# Allegro board IMX7D EVK BOARD REV D_160314.brd (continued)
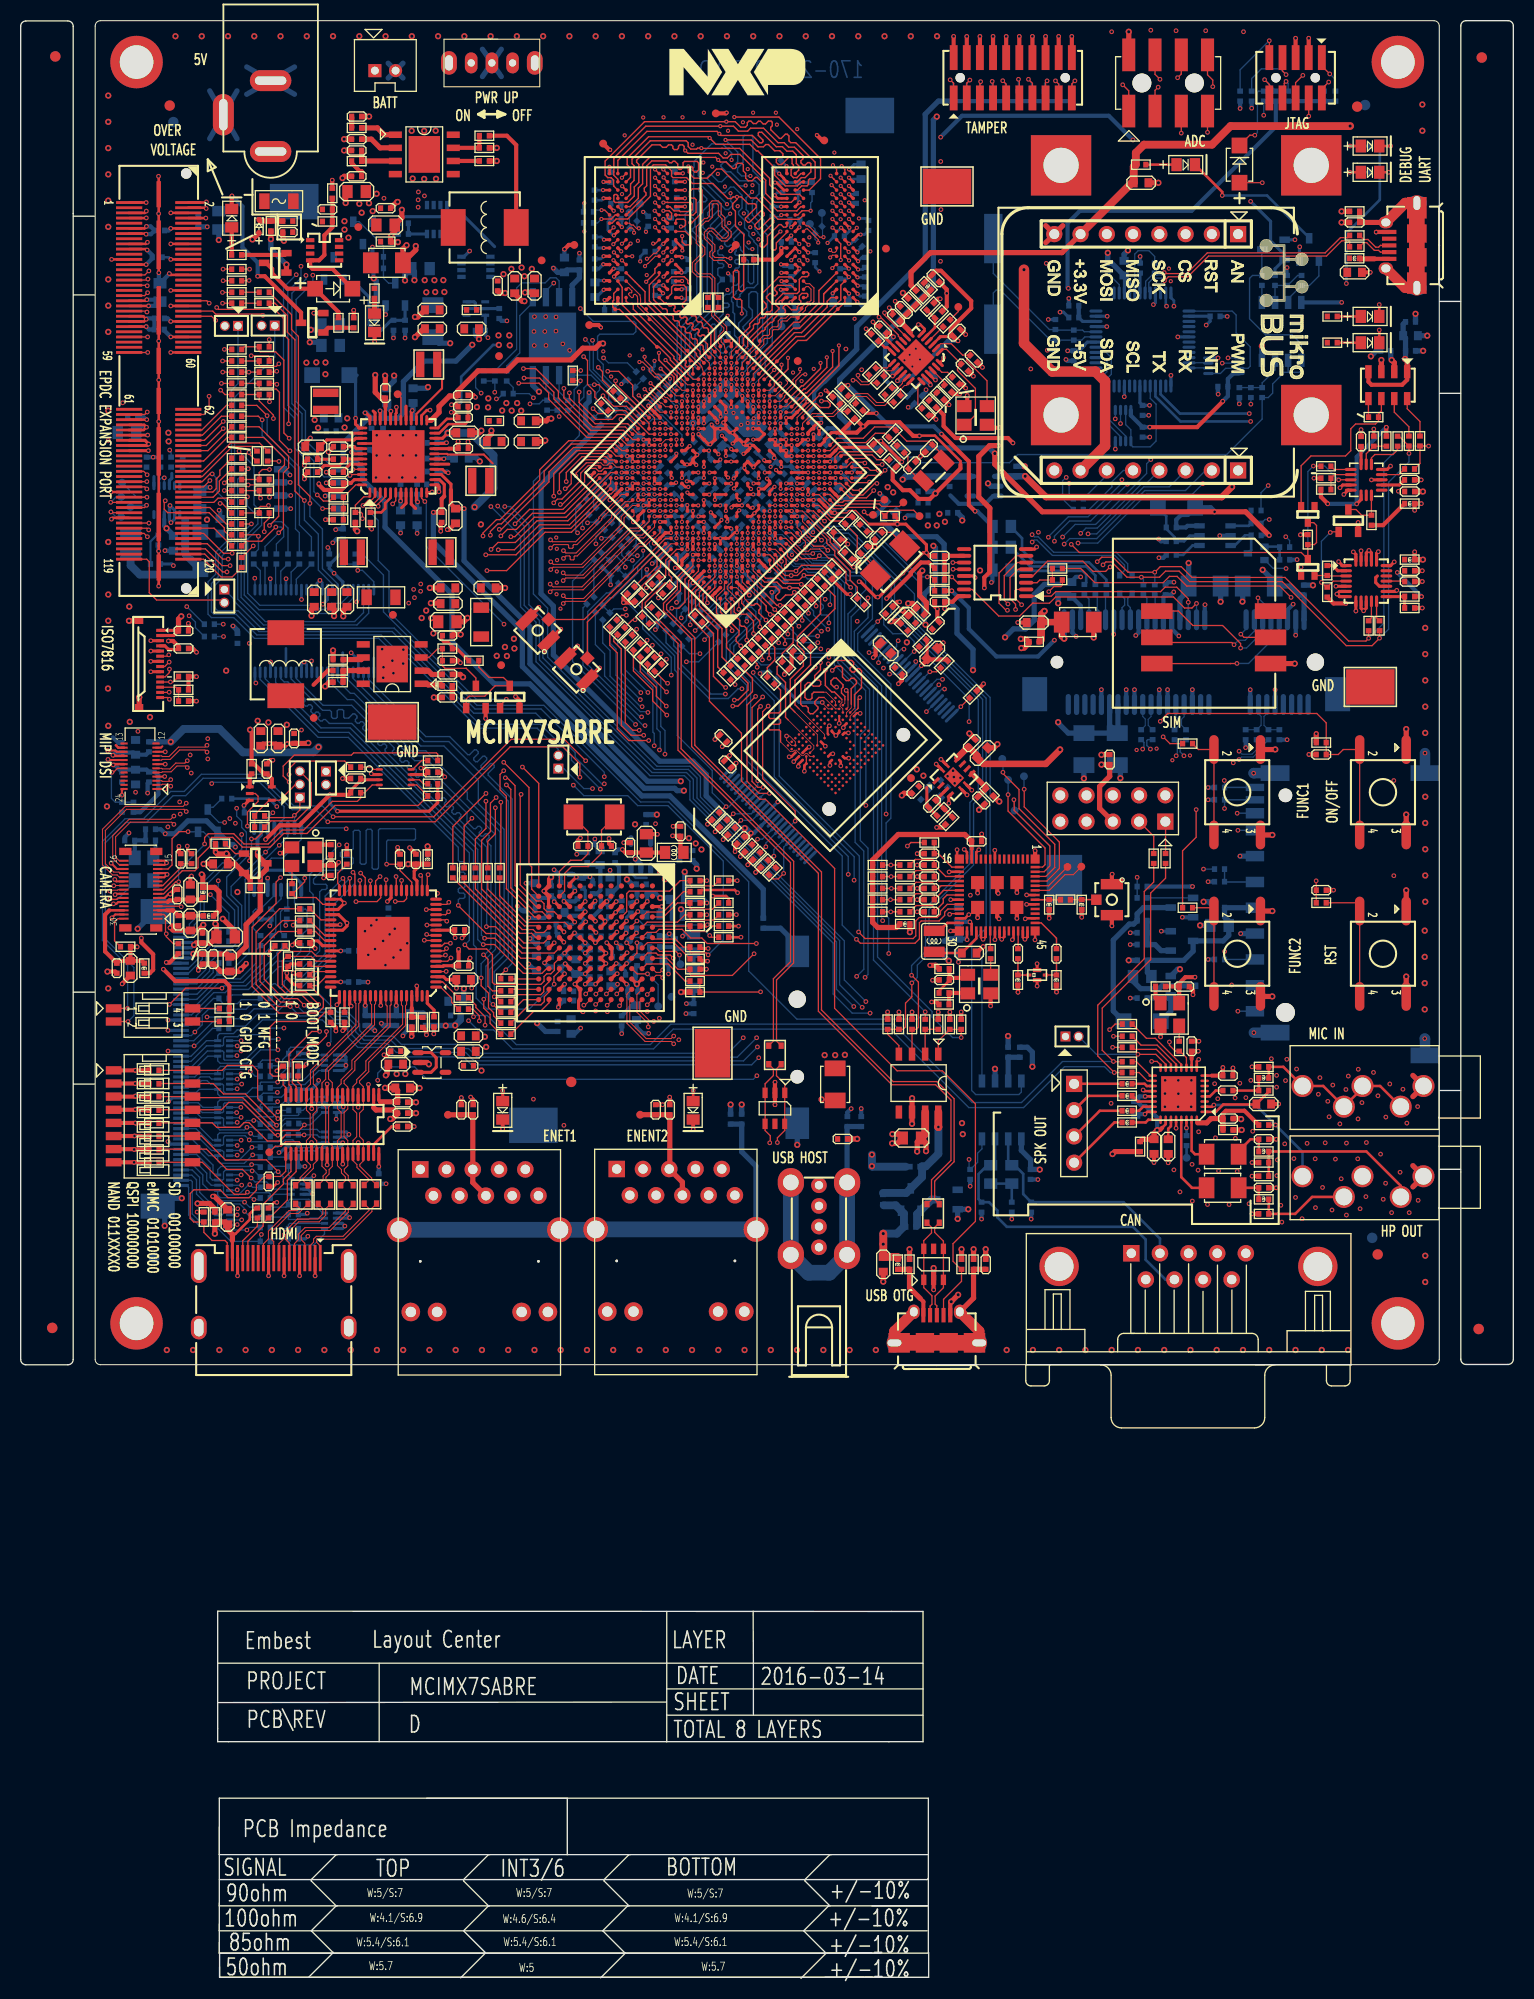
[diagram p0: board, top side]
## Routing (per net, layer and track width the routed paths; a pad name or vN(x,y) marks a point on that pad's centre or on a via; arc(x,y) is an arc through that point) (continued)
LCD1_DATA13: length 97.2
  TOP w0.102: U7.E22 58.66,146.18 v3(58.66,146.18)
  L3_INT_1 w0.102: 54,146.8 57.38,146.8 58,146.18 v3(58.66,146.18)
  L3_INT_1 w0.127: v1(22.54,82.98) 22.72,83.15 22.72,93.03 25.46,95.78 32.29,95.78 37.71,101.19 37.71,101.67 38.85,102.81 39.51,102.81 41.92,105.23 41.92,112.6 42.86,113.54 42.86,117.67 50.56,125.36 50.56,132.84 49.86,133.53 49.86,144.23 52.42,146.8 54,146.8
  BOTTOM w0.127: J14.15 17.03,83.69 17.48,83.24 RN16.3 19.53,83.24 19.62,83.15 19.62,82.49 19.77,82.34 21.22,82.34 21.86,82.98 v1(22.54,82.98) 22.82,82.98 R213.2
LCD1_DATA14: length 99.3
  TOP w0.102: 55.87,146.59 56.11,146.59 56.35,146.36 56.72,146.36 56.93,146.56 57.23,146.56 57.61,146.18 U7.D23
  TOP w0.127: v3(53.72,145.31) 53.72,145.6 54.71,146.59 55.87,146.59
  L3_INT_1 w0.127: v3(53.72,145.31) 52.7,145.31 51.07,143.69 51.07,140.81 53.02,138.86 53.02,132.25 51.57,130.8 51.57,124.63 44.12,117.18 44.12,111.94 43.2,111.02 43.2,103.43 41.57,101.8 41.16,101.8 34.07,94.71 25.94,94.71 23.71,92.47 23.71,84.98 v1(24.88,83.81)
  BOTTOM w0.127: R212.2 25.02,83.95 v1(24.88,83.81) 24.4,83.33 22.82,83.33 21.47,84.68 19.75,84.68 19.62,84.55 19.62,83.84 19.52,83.74 RN16.5 17.56,83.74 17.11,84.19 J14.16
LCD1_DATA15: length 95.1
  TOP w0.127: U7.C24 56.95,146.06 56.43,146.06 56.15,145.79 55.89,145.79 55.62,146.05 55.1,146.05 54.55,145.5 54.55,144.73 52.37,142.56 v1(52.2,142.56)
  L3_INT_1 w0.127: v1(52.2,142.56) 52.2,140.85 53.71,139.34 53.71,130.73 52.26,129.29 52.26,124.08 45.45,117.28 45.45,112 44.02,110.56 44.02,103 42.15,101.14 41.72,101.14 36,95.42 36,94.51 34.63,93.14 25.44,93.14 24.34,92.04 24.34,86.51 24.73,86.12 25.08,86.12 25.31,85.9 25.31,85.26 v1(24.85,84.8)
  BOTTOM w0.127: v1(24.85,84.8) 24.62,84.58 23.28,84.58 23.17,84.47 R214.2 22.6,84.06 21.7,84.96 19.26,84.96 19.06,84.75 RN16.7 17.62,84.24 17.17,84.69 J14.17
LCD1_DATA16: length 92.4
  TOP w0.127: v1(51.56,142.72) 51.92,143.08 52.35,143.08 54.16,144.89 54.16,145.59 54.91,146.33 55.86,146.33 U7.B25
  L3_INT_1 w0.127: v1(51.56,142.72) 51.56,140.9 53.38,139.08 53.38,130.93 51.93,129.48 51.93,124.39 44.55,117.01 44.55,111.73 43.61,110.79 43.61,103.25 41.85,101.49 41.46,101.49 33.46,93.49 25.23,93.49 24.01,92.27 24.01,86.18 24.5,85.69 v1(24.83,85.69)
  BOTTOM w0.127: J14.19 16.98,85.69 17.27,85.99 RN17.1 19.06,85.55 19.32,85.29 22.99,85.29 R215.2 23.17,85.34 23.46,85.62 24.75,85.62 v1(24.83,85.69)
LCD1_DATA17: length 93.3
  TOP w0.102: U7.G21 60.25,146.71 v3(60.25,146.71)
  L3_INT_1 w0.102: v3(60.25,146.71) 60.25,146.18 59.86,145.79 59.86,144.76 58.46,143.35 58.46,139.86
  L3_INT_1 w0.127: v1(24.85,86.68) 26.71,86.68 28.89,88.87 37.58,88.87 38.57,89.86 39.33,89.86 40.5,91.03 40.5,92.45 42.99,94.94 43.45,94.94 45.3,96.79 45.3,97.76 46.66,99.12 46.66,109.79 50.34,113.47 50.34,118.08 54.55,122.29 54.55,127.27 55.99,128.71 55.99,137.31 58.46,139.77 58.46,139.86
  BOTTOM w0.127: v1(24.85,86.68) 23.25,86.68 23.17,86.61 R217.2 22.42,86.13 21.88,85.59 19.8,85.59 19.62,85.77 19.62,86.38 19.51,86.49 RN17.3 18.37,86.49 18.02,86.84 17.5,86.84 16.85,86.19 J14.20
LCD1_DATA18: length 92
  TOP w0.102: U7.E23 v3(58.13,146.71)
  L3_INT_1 w0.102: v3(58.13,146.71) 57.59,147.25 54.18,147.25
  L3_INT_1 w0.127: v1(22.21,87.72) 22.39,87.9 22.39,93.19 25.31,96.11 30.01,96.11 30.72,96.82 32.78,96.82 37.25,101.29 37.25,102 39.43,104.18 40.3,104.18 41.54,105.43 41.54,112.88 42.46,113.8 42.46,120.19 49.5,127.23 49.5,144.46 52.28,147.25 54.18,147.25
  BOTTOM w0.127: R216.2 22.69,87.25 v1(22.21,87.72) 22.01,87.93 19.8,87.93 19.62,87.75 19.62,87.12 19.49,86.99 RN17.5 18.45,86.99 18.25,87.19 17.38,87.19 16.88,86.69 J14.21
LCD1_DATA19: length 95.7
  TOP w0.127: v1(52.77,144.77) 52.77,145.65 54.3,147.18 56.6,147.18 56.93,146.85 57.45,146.85 U7.D24
  L3_INT_1 w0.127: v1(52.77,144.77) 53.3,144.77 56.7,141.37 56.7,139.03 55.24,137.56 55.24,129.06 53.77,127.6 53.77,122.83 49.57,118.62 49.57,113.81 45.82,110.06 45.82,99.42 43.62,97.22 42.33,97.22 40.96,95.85 40.96,94.41 38.29,91.74 38.29,90.87 38.04,90.62 30.57,90.62 30.42,90.77 29.42,90.77 28.79,90.14 27.67,90.14 26.35,88.82 v1(24.83,88.82)
  BOTTOM w0.127: v1(24.83,88.82) 23.38,88.82 23.17,88.61 R218.2 23.12,88.21 19.34,88.21 19.06,87.93 RN17.7 19.04,87.5 17.15,87.5 16.84,87.19 J14.22
LCD1_DATA20: length 92.1
  TOP w0.127: v1(52.67,144.09) 52.77,144.09 53.25,144.57 53.25,145.62 54.52,146.89 56.36,146.89 U7.C25
  L3_INT_1 w0.127: v1(52.67,144.09) 53.38,144.09 56.3,141.17 56.3,140.15 54.85,138.7 54.85,129.2 53.38,127.73 53.38,123.13 49.21,118.96 49.21,114.01 45.37,110.17 45.37,102.68 44.23,101.54 44.23,98.82 43.01,97.61 42.23,97.61 35.75,91.13 29.17,91.13 28.56,90.52 27.06,90.52 26.35,89.81 v1(24.88,89.81)
  BOTTOM w0.127: J14.23 16.59,87.69 18.1,89.2 RN18.1 19.06,88.75 19.29,88.51 21.91,88.51 23.2,89.81 v1(24.88,89.81)
LCD1_DATA21: length 95.9
  TOP w0.127: v1(51.56,143.36) 51.56,145.56 53.76,147.76 57.06,147.76 57.58,147.24 U7.E24
  L3_INT_1 w0.127: v1(51.56,143.36) 51.77,143.15 53.2,143.15 55.41,140.94 55.41,140.48 54.08,139.16 54.08,130.6 52.64,129.15 52.64,123.69 47.53,118.59 47.53,113.46 44.48,110.4 44.48,102.88 43.42,101.82 43.42,99.82 41.85,98.24 40.63,98.24 38.98,96.59 38.98,95.83 35.95,92.8 25.64,92.8 24.93,92.09 v1(24.93,90.85)
  BOTTOM w0.127: J14.24 16.54,88.19 18.05,89.7 RN18.3 19.53,89.7 19.65,89.58 19.65,88.89 19.72,88.82 21.69,88.82 23.72,90.85 v1(24.93,90.85)
LCD1_DATA22: length 93
  TOP w0.127: v1(52.11,143.73) 52.11,145.55 54.04,147.49 56.82,147.49 U7.D25
  L3_INT_1 w0.127: v1(25.46,91.92) 25.92,92.37 34.23,92.37 34.73,91.87 35.62,91.87 39.43,95.68 39.43,96.49 40.83,97.88 42,97.88 43.85,99.74 43.85,101.67 44.94,102.75 44.94,110.25 47.94,113.25 47.94,118.36 53.02,123.44 53.02,128.92 54.47,130.37 54.47,138.93 55.84,140.3 55.84,141.04 53.35,143.53 52.31,143.53 v1(52.11,143.73)
  BOTTOM w0.127: v1(25.46,91.92) 23.74,91.92 23.1,91.28 21.19,91.28 20.99,91.08 19.77,91.08 19.62,90.93 19.62,90.29 19.53,90.2 RN18.5 17.98,90.2 16.47,88.69 J14.25
LCD1_DATA23: length 94.9
  TOP w0.102: U7.G23 v3(59.19,147.77)
  L3_INT_1 w0.102: v3(59.19,147.77) 59.19,147.26 59.55,146.9 59.55,146.55 59.33,146.33 59.33,146.04 59.55,145.82 59.55,145.48 58.01,143.94 58.01,140.17
  L3_INT_1 w0.127: v1(29.78,90.34) 30.06,90.06 38.09,90.06 38.72,90.7 38.72,91.46 41.36,94.1 41.36,95.75 42.45,96.84 43.83,96.84 46.27,99.29 46.27,109.96 49.95,113.63 49.95,118.41 54.16,122.62 54.16,127.47 55.64,128.94 55.64,137.46 58.01,139.83 58.01,140.17
  BOTTOM w0.127: v1(29.78,90.34) 29.78,90.37 30.01,90.6 30.01,91.87 29.17,92.7 23.38,92.7 22.41,91.74 20.94,91.74 20.59,91.38 19.24,91.38 19.06,91.2 RN18.7 17.98,90.7 16.47,89.19 J14.26
LCD1_ENABLE: length 86.1
  TOP w0.127: v1(44.72,139.52) 44.72,139.79 46.01,141.09 46.37,141.09 50.2,144.93 50.2,145.93 53,148.73 57.71,148.73 58.13,148.31 U7.F25
  L3_INT_1 w0.127: v1(44.72,139.52) 40.64,135.44 40.64,129.98 32.87,122.2 32.87,109.68 32.14,108.96 28.33,108.96 17.74,98.37 17.74,97.15 16.27,95.68 16.27,90.72 16.78,90.21 v1(16.78,90.19)
  BOTTOM w0.127: R177.1 18.55,91.89 16.85,90.19 v1(16.78,90.19) J14.28
LCD1_HSYNC: length 82.2
  TOP w0.127: v1(46.29,140.15) 46.49,140.15 51.1,144.75 51.1,145.7 53.47,148.07 57.3,148.07 U7.E25
  L3_INT_1 w0.127: v1(18.02,92.98) 18.02,96.34 18.73,97.05 18.73,98.24 26.3,105.81 29.42,105.81 31.6,107.98 32.41,107.98 33.87,109.45 33.87,111.58 34.45,112.16 34.45,122.53 41.48,129.57 41.48,134.93 45.93,139.38 45.93,139.79 v1(46.29,140.15)
  BOTTOM w0.127: v1(18.02,92.98) 19,92.98 R178.1 18.84,92.5 18.55,92.5 16.74,90.69 J14.29
LCD1_PWM: length 94.1
  TOP w0.127: v1(75.25,139.03) 75.25,139.11 74.54,139.82 U7.N2
  L6_INT_2 w0.102: 73.35,135.16 73.06,135.16 72.68,135.55 69.82,135.55 66.22,139.14 65.92,139.14 64.04,137.26 63.36,137.26 62.14,136.04 ; v1(75.25,139.03) 75.25,138.17 75.83,137.59 75.83,136.37 74.83,135.38
  L6_INT_2 w0.127: 73.35,135.16 74.62,135.16 74.83,135.38 ; v1(21.37,110.64) 21.37,111.55 21.75,111.93 22.92,111.93 23.43,111.41 30.28,111.41 31.23,112.36 42.61,112.36 43.27,111.7 48.37,111.7 53.15,116.48 53.15,119.94 59.56,126.35 59.56,129.09 60.49,130.02 60.49,131.62 59.83,132.28 59.83,134.44 60.38,134.99 61.09,134.99 62.14,136.04
  BOTTOM w0.127: v1(21.37,110.64) 21.37,109.21 20.05,107.89 19.52,107.89 17.39,105.76 17.39,103.04 16.32,101.97 16.32,101.37 16.14,101.19 J14.50
LCD1_RESET: length 71.8
  TOP w0.127: U7.C21 58.15,144.59 v3(58.13,144.57)
  L6_INT_2 w0.127: v1(20.89,113.18) 21.06,113.01 21.86,113.01 26.45,117.6 28.33,117.6 37.17,126.43 47.15,126.43 53.17,132.45 53.17,140.15 56.96,143.94 57.49,143.94 v3(58.13,144.57)
  BOTTOM w0.127: v1(20.89,113.18) 20.89,112.41 21.37,111.93 21.37,111.32 21.83,110.86 21.83,109.06 20.23,107.46 19.65,107.46 17.74,105.56 17.74,102.84 16.8,101.9 16.8,101.04 16.45,100.69 J14.49
LCD1_TP_REF: length 1.5
  BOTTOM w0.305: U23.9 22.58,111.28 22.58,112.74 C266.1
LCD1_VSYNC: length 85.3
  TOP w0.127: v1(45.43,139.59) 45.43,139.95 46.16,140.68 46.49,140.68 50.63,144.82 50.63,145.78 53.26,148.41 57.49,148.41 58.12,147.77 U7.F24
  L3_INT_1 w0.127: v1(16.85,91.53) 16.85,95.75 18.22,97.12 18.22,98.24 28.5,108.51 32.26,108.51 33.42,109.68 33.42,122.17 41.06,129.81 41.06,135.1 45.43,139.46 v1(45.43,139.59)
  BOTTOM w0.127: J14.30 16.51,91.19 v1(16.85,91.53) 17.56,92.25 17.56,93.14 18.17,93.74 R179.1
LCD_3V3: length 27.9
  TOP w0.508: v1(22.9,108.91) 22.9,108.62 23.67,107.85 Q13.3 23.77,107.27 23.16,106.67 v1(23.16,106.4) 23.18,106.39 23.18,105.47 R355.1 23.17,103.29 21.8,101.92 21.8,99.82 20.8,98.81 C263.1 19.96,99.07 C265.1 C264.1 17.57,99.09 v2(16.71,99.09)
  BOTTOM w0.305: J14.45 16.53,98.69 16.75,98.9 16.75,99.06 v2(16.71,99.09) 16.66,99.09 16.56,99.19 J14.46 ; U23.1 27.13,105.92 25.87,107.18 23.84,107.18 23.22,106.57 23.22,106.46 v1(23.16,106.4)
  BOTTOM w0.381: v1(22.9,108.91) 22.9,110.28 23.23,110.61 U23.10
  BOTTOM w0.406: U23.7 23.23,106.38 23.21,106.4 v1(23.16,106.4)
LCD_B0: length 55.7
  TOP w0.127: v1(32.81,106.19) 32.81,106.19 32.83,106.18 U13.32
  L6_INT_2 w0.127: v1(20.94,72.9) 20.11,72.9 11.59,81.43 11.59,94.66 14.72,97.78 14.72,100.32 18.12,103.73 21.5,103.73 22.26,104.49 22.26,105.2 22.95,105.89 32.5,105.89 v1(32.81,106.19)
  BOTTOM w0.127: v1(20.94,72.9) 20.89,72.85 RN13.2
LCD_B1: length 57.8
  TOP w0.127: v1(32.88,106.9) 33.33,106.46 U13.31
  L6_INT_2 w0.127: v1(32.88,106.9) 33.33,106.45 33.33,106.08 32.79,105.53 23.25,105.53 22.74,105.02 22.74,104.34 21.73,103.32 18.27,103.32 15.1,100.15 15.1,97.63 11.92,94.46 11.92,81.68 20.24,73.36 v1(21.37,73.36)
  BOTTOM w0.127: v1(21.37,73.36) 21.36,73.35 RN13.4
LCD_B2: length 55.7
  TOP w0.127: v1(33.82,106.17) 33.83,106.16 U13.30
  L6_INT_2 w0.127: v1(20.94,73.84) 20.9,73.81 20.43,73.81 20,74.24 20,74.42 20.28,74.69 20.28,74.82 20.05,75.05 19.89,75.05 19.65,74.82 19.47,74.82 19.29,75 19.29,75.18 19.53,75.42 19.53,75.59 18.95,76.18 18.06,76.18 12.22,82.02 12.22,94.22 15.48,97.48 15.48,99.97 16.8,101.29 20.26,101.29 24.14,105.17 32.94,105.17 33.83,106.06 33.83,106.16 v1(33.82,106.17)
  BOTTOM w0.127: v1(20.94,73.84) 20.93,73.85 RN13.6
LCD_B3: length 56.5
  TOP w0.127: U13.29 34.33,106.14 v1(34.76,106.57)
  L6_INT_2 w0.127: v1(34.76,106.57) 34.76,106.37 33.2,104.8 24.3,104.8 20.41,100.91 16.93,100.91 15.86,99.84 15.86,97.35 12.66,94.15 12.66,83.28 12.96,82.98 12.96,82.8 12.76,82.6 12.76,82.42 12.94,82.24 13.12,82.24 13.32,82.44 13.5,82.44 13.68,82.26 13.68,82.09 13.46,81.87 13.46,81.69 13.64,81.51 13.82,81.51 14.04,81.73 14.21,81.73 14.72,81.22 14.72,80.18 18.28,76.62 19.32,76.62 20.99,74.95 v1(20.99,74.44)
  BOTTOM w0.127: v1(20.99,74.44) 20.91,74.35 RN13.8
LCD_B4: length 58.3
  TOP w0.127: v1(32.43,104.15) 34.46,104.15 34.83,104.51 U13.28
  L6_INT_2 w0.127: v1(32.43,104.15) 32.14,104.44 24.52,104.44 20.64,100.55 17.69,100.55 17.39,100.25 17.39,98.95 16.27,97.83 16.27,97.28 13.04,94.05 13.04,83.61 15.32,81.33 15.32,81.16 15.12,80.95 15.12,80.77 15.3,80.59 15.47,80.59 15.77,80.88 15.94,80.88 16.12,80.71 16.12,80.53 15.64,80.04 15.64,79.87 15.82,79.69 16,79.69 16.48,80.17 16.66,80.17 16.84,79.99 16.84,79.81 16.36,79.33 16.36,79.15 16.54,78.97 16.72,78.97 17.21,79.46 17.39,79.46 17.57,79.28 17.57,79.1 17.08,78.61 17.08,78.43 17.26,78.25 17.44,78.25 17.93,78.74 18.11,78.74 18.29,78.56 18.29,78.38 17.8,77.89 17.8,77.71 17.98,77.53 18.16,77.53 18.65,78.02 18.83,78.02 19.01,77.84 19.01,77.66 18.8,77.45 18.8,77.27 18.98,77.09 19.16,77.09 19.27,77.2 19.45,77.2 20.39,76.26 v1(20.94,76.26)
  BOTTOM w0.127: v1(20.94,76.26) 20.89,76.21 RN15.2
LCD_B5: length 57
  TOP w0.127: v1(35.34,106.27) 35.33,106.25 U13.27
  L6_INT_2 w0.127: v1(21.37,76.72) 20.82,76.72 13.4,84.14 13.4,93.9 16.62,97.12 16.62,97.58 17.11,98.06 17.31,98.06 17.61,97.76 17.74,97.76 17.97,97.99 17.97,98.11 17.61,98.48 17.61,98.61 17.79,98.79 17.97,98.79 18.28,98.48 18.46,98.48 18.64,98.66 18.64,98.84 17.92,99.56 17.92,99.74 18.1,99.92 18.28,99.92 19,99.2 19.18,99.2 19.36,99.38 19.36,99.56 19.17,99.75 19.17,99.92 19.35,100.1 20.7,100.1 24.71,104.12 27.02,104.12 27.59,103.55 27.88,103.55 28.01,103.68 28.01,103.93 28.14,104.06 28.39,104.06 28.52,103.93 28.52,103.73 28.64,103.6 28.9,103.6 29.03,103.73 29.03,103.93 29.15,104.06 29.41,104.06 29.53,103.93 29.53,103.75 29.66,103.63 29.91,103.63 30.04,103.75 30.04,103.93 30.17,104.06 30.42,104.06 30.55,103.93 30.55,103.68 30.68,103.55 32.63,103.55 v1(35.34,106.27)
  BOTTOM w0.127: RN15.4 21.36,76.71 v1(21.37,76.72)
LCD_B6: length 56.6
  TOP w0.127: U13.25 36.33,106.55 v1(36.31,106.57)
  L6_INT_2 w0.127: v1(20.94,77.2) 13.75,84.39 13.75,85.2 13.88,85.33 14.26,85.33 14.39,85.45 14.39,85.71 14.26,85.83 13.88,85.83 13.75,85.96 13.75,86.22 13.88,86.34 14.26,86.34 14.39,86.47 14.39,86.72 14.26,86.85 13.88,86.85 13.75,86.98 13.75,87.23 13.88,87.36 14.26,87.36 14.39,87.49 14.39,87.74 14.26,87.87 13.88,87.87 13.75,87.99 13.75,88.25 13.88,88.37 14.26,88.37 14.39,88.5 14.39,88.76 14.26,88.88 13.88,88.88 13.75,89.01 13.75,90.28 13.88,90.41 14.26,90.41 14.39,90.53 14.39,90.79 14.26,90.91 13.88,90.91 13.75,91.04 13.75,92.93 19.04,98.22 19.42,98.22 19.62,98.01 19.85,98.01 20.08,98.25 20.08,98.43 19.64,98.87 19.64,99.05 19.82,99.23 20,99.23 20.43,98.8 20.61,98.8 20.79,98.98 20.79,99.16 20.6,99.35 20.6,99.53 24.88,103.81 26.68,103.81 27.27,103.22 32.95,103.22 v1(36.31,106.57)
  BOTTOM w0.127: v1(20.94,77.2) 20.93,77.21 RN15.6
LCD_B7: length 56.4
  TOP w0.127: v1(36.84,106.19) 36.83,106.18 U13.24
  L6_INT_2 w0.127: v1(36.84,106.19) 36.84,106.95 37.04,107.16 37.76,107.16 37.96,106.95 37.96,105.99 37.65,105.68 36.13,105.68 36.03,105.58 36.03,105.3 36.16,105.17 36.87,105.17 36.97,105.07 36.97,104.79 36.84,104.67 34.94,104.67 33.15,102.88 27,102.88 26.47,102.34 26.01,102.34 25.28,103.07 24.95,103.07 24.73,102.84 24.73,102.63 25.02,102.34 25.02,102.16 24.8,101.95 24.57,101.95 24.19,102.33 24.01,102.33 21.27,99.59 21.27,98.77 20.05,97.55 18.93,97.55 14.77,93.39 14.77,84.02 21.07,77.71 v1(21.32,77.71)
  BOTTOM w0.127: RN15.8 21.32,77.71 v1(21.32,77.71)
LCD_G0: length 56.9
  TOP w0.127: v1(36.23,104.16) 37.05,104.16 37.33,104.43 U13.23
  L6_INT_2 w0.127: v1(20.94,79.62) 21.17,79.39 21.7,79.39 21.83,79.27 21.83,78.48 21.7,78.35 21.1,78.35 15.18,84.28 15.18,93.26 18.93,97.02 21.5,97.02 22.49,98.01 22.49,100.17 23.68,101.36 26.86,101.36 27.01,101.52 27.01,102.3 27.16,102.46 27.49,102.46 27.62,102.33 27.62,101.59 27.75,101.47 28.05,101.47 28.18,101.59 28.18,102.41 28.31,102.53 28.64,102.53 28.76,102.41 28.76,101.59 28.89,101.47 29.17,101.47 29.3,101.59 29.3,102.41 29.42,102.53 29.73,102.53 29.85,102.41 29.85,101.57 29.98,101.44 30.23,101.44 30.36,101.57 30.36,102.41 30.49,102.53 31.94,102.53 32.04,102.43 32.04,101.67 32.13,101.58 32.36,101.58 32.76,101.99 32.76,102.37 32.96,102.56 33.36,102.56 34.5,103.7 35.77,103.7 v1(36.23,104.16)
  BOTTOM w0.127: v1(20.94,79.62) 20.89,79.57 RN14.2
LCD_G1: length 57.3
  TOP w0.127: U13.20 38.83,106.54 v1(38.68,106.69)
  L6_INT_2 w0.127: v1(21.37,80.08) 19.97,80.08 19.88,80.18 19.88,80.36 20.31,80.79 20.31,80.97 20.13,81.15 19.95,81.15 19.52,80.72 19.34,80.72 19.16,80.9 19.16,81.08 19.64,81.56 19.64,81.74 19.46,81.92 19.28,81.92 18.8,81.43 18.62,81.43 18.44,81.61 18.44,81.79 18.94,82.29 18.94,82.47 18.76,82.65 18.58,82.65 18.08,82.15 17.9,82.15 17.72,82.33 17.72,82.51 18.2,82.99 18.2,83.17 18.02,83.35 17.84,83.35 17.36,82.87 17.18,82.87 17,83.05 17,83.23 17.43,83.66 17.43,83.84 17.26,84.02 17.08,84.02 16.65,83.59 16.47,83.59 15.57,84.48 15.57,93.1 19.09,96.61 21.63,96.61 22.87,97.86 22.87,100.02 23.91,101.06 30.59,101.06 30.85,101.31 31.51,101.31 31.76,101.06 32.42,101.06 34.62,103.26 36.18,103.26 38.68,105.76 v1(38.68,106.69)
  BOTTOM w0.127: RN14.4 21.36,80.07 v1(21.37,80.08)
LCD_G2: length 56.9
  TOP w0.127: v1(39.41,106.75) 39.33,106.67 U13.19
  L6_INT_2 w0.127: v1(20.94,80.56) 20.74,80.77 20.74,81.22 17.28,84.69 16.99,84.69 16.58,84.27 16.4,84.27 16.22,84.45 16.22,84.63 16.64,85.04 16.64,85.22 15.96,85.9 15.96,92.93 19.24,96.21 21.7,96.21 23.23,97.73 23.23,99.89 24.07,100.73 33.5,100.73 35.66,102.9 36.39,102.9 39.74,106.24 41.62,106.24 41.74,106.37 41.74,107.64 41.62,107.77 41.08,107.77 40.96,107.64 40.96,106.95 40.83,106.83 40.45,106.83 40.32,106.95 40.32,107.64 40.19,107.77 39.61,107.77 39.41,107.56 v1(39.41,106.75)
  BOTTOM w0.127: v1(20.94,80.56) 20.93,80.57 RN14.6
LCD_G3: length 56.1
  TOP w0.127: v1(40.32,104.95) 40.18,104.8 U13.18
  L6_INT_2 w0.127: v1(40.32,104.95) 40.63,105.25 43.01,105.25 43.19,105.43 43.19,106.7 43.06,106.83 42.48,106.83 42.35,106.7 42.35,105.89 42.28,105.81 39.91,105.81 36.57,102.46 35.82,102.46 33.76,100.4 24.32,100.4 23.96,100.04 23.96,99.74 24.65,99.05 24.65,98.77 24.38,98.49 23.86,98.49 23.7,98.33 23.7,97.72 21.86,95.88 20.2,95.88 19.62,95.29 19.01,95.29 16.32,92.6 16.32,86.28 20.55,82.05 20.73,82.05 20.97,82.29 21.25,82.29 21.41,82.12 21.41,81.87 21.09,81.55 21.09,81.3 v1(21.32,81.07)
  BOTTOM w0.127: RN14.8 21.32,81.07 v1(21.32,81.07)
LCD_G4: length 56.4
  TOP w0.127: v1(41.41,104.08) 41.21,103.88 U13.17
  L6_INT_2 w0.127: v1(41.41,104.08) 41.59,104.26 42.86,104.26 43.04,104.08 43.04,103.75 43.19,103.6 43.55,103.6 43.72,103.78 43.72,104.77 43.62,104.87 41.05,104.87 40.55,104.37 40.55,103.42 40.42,103.3 40.07,103.3 39.94,103.42 39.94,104.51 39.81,104.64 39.46,104.64 39.33,104.51 39.33,104.08 39.17,103.92 38.63,103.92 36.72,102.01 35.96,102.01 33.99,100.04 27.16,100.04 26.57,99.45 25.77,99.45 25.3,99.93 25.12,99.93 24.88,99.69 24.88,99.43 25.2,99.12 25.2,98.7 21.92,95.42 20.38,95.42 19.84,94.88 19.2,94.88 16.9,92.58 16.9,92.2 17.36,91.74 17.36,89.74 17.23,89.61 16.93,89.61 16.8,89.48 16.8,89.23 16.93,89.1 17.23,89.1 17.36,88.97 17.36,88.72 17.23,88.59 16.93,88.59 16.8,88.47 16.8,88.21 16.93,88.08 17.23,88.08 17.36,87.96 17.36,87.7 17.23,87.58 16.93,87.58 16.8,87.45 16.8,87.2 16.93,87.07 17.23,87.07 17.36,86.94 17.36,86.76 17,86.4 17,86.23 20.44,82.79 v1(20.94,82.79)
  BOTTOM w0.127: v1(20.94,82.79) 20.89,82.74 20.21,82.74
LCD_G5: length 56.4
  TOP w0.127: U13.16 39.24,103.38 v1(39.23,103.37)
  L6_INT_2 w0.127: v1(21.32,83.28) 20.59,83.28 17.79,86.07 17.79,92.09 18.72,93.02 18.72,93.2 18.48,93.44 18.48,93.62 18.66,93.8 18.84,93.8 19.08,93.56 19.26,93.56 19.44,93.74 19.44,93.92 19.2,94.16 19.2,94.34 19.38,94.52 19.56,94.52 19.8,94.28 19.98,94.28 20.74,95.04 22.16,95.04 22.39,95.27 22.57,95.27 22.95,94.89 23.13,94.89 23.31,95.07 23.31,95.25 22.93,95.63 22.93,95.81 23.11,95.99 23.29,95.99 23.74,95.53 23.92,95.53 24.1,95.71 24.1,95.89 23.65,96.35 23.65,96.53 23.83,96.71 24.01,96.71 24.44,96.28 24.61,96.28 24.79,96.45 24.79,96.63 24.36,97.06 24.36,97.24 25.23,98.11 25.64,98.11 25.87,98.34 25.87,98.88 26.02,99.03 26.58,99.03 26.71,98.9 26.71,98.62 26.83,98.49 27.16,98.49 27.29,98.62 27.29,99.51 27.42,99.64 27.75,99.64 27.88,99.51 27.88,98.49 28,98.37 28.86,98.37 28.99,98.49 28.99,99.54 29.12,99.66 29.37,99.66 29.5,99.54 29.5,98.52 29.63,98.39 29.88,98.39 30.01,98.52 30.01,99.54 30.13,99.66 30.39,99.66 30.52,99.54 30.52,98.62 30.64,98.49 31.33,98.49 31.46,98.62 31.46,99.54 31.58,99.66 31.86,99.66 31.99,99.54 31.99,98.62 32.12,98.49 32.4,98.49 32.52,98.62 32.52,99.54 32.65,99.66 33.01,99.66 33.13,99.54 33.13,98.62 33.26,98.49 33.87,98.49 38.75,103.37 v1(39.23,103.37)
  BOTTOM w0.127: v1(21.32,83.28) 21.28,83.24 RN16.4
LCD_G6: length 56.3
  TOP w0.127: v1(41.39,103.17) 41.1,102.88 U13.15
  L6_INT_2 w0.127: v1(41.39,103.17) 41.03,102.81 38.8,102.81 37.03,101.04 37.03,100.86 37.15,100.74 37.15,100.56 36.97,100.38 36.79,100.38 36.67,100.5 36.49,100.5 36.31,100.32 36.31,100.14 36.43,100.02 36.43,99.84 36.25,99.66 36.07,99.66 35.95,99.79 35.77,99.79 35.59,99.61 35.59,99.43 35.72,99.3 35.72,99.12 35.54,98.94 35.36,98.94 35.23,99.07 35.05,99.07 34.66,98.67 34.66,97.53 34.53,97.4 34.07,97.4 33.97,97.5 33.97,97.99 33.87,98.09 33.51,98.09 33.39,97.96 33.39,97.5 33.26,97.38 33,97.38 32.88,97.5 32.88,97.96 32.75,98.09 32.5,98.09 32.37,97.96 32.37,97.48 32.24,97.35 31.99,97.35 31.86,97.48 31.86,97.96 31.73,98.09 31.48,98.09 31.35,97.96 31.35,97.43 31.23,97.3 30.97,97.3 30.85,97.43 30.85,97.96 30.72,98.09 30.46,98.09 30.34,97.96 30.34,97.4 30.21,97.28 29.86,97.28 29.73,97.4 29.73,97.86 29.6,97.99 29.35,97.99 29.22,97.86 29.22,97.28 29.09,97.15 28.82,97.15 28.69,97.28 28.69,97.81 28.56,97.94 28.31,97.94 28.17,97.8 28.17,96.68 28.05,96.56 27.85,96.56 27.72,96.69 27.72,97.88 27.6,98.01 27.39,98.01 27.27,97.88 27.27,96.69 27.14,96.56 26.94,96.56 26.81,96.69 26.81,97.96 26.68,98.09 26.25,98.09 25.87,97.71 25.41,97.71 25.2,97.49 25.2,96.22 23.46,94.48 20.86,94.48 18.2,91.81 18.2,86.47 18.5,86.17 18.68,86.17 18.83,86.32 19.01,86.32 19.19,86.15 19.19,85.97 19.04,85.81 19.04,85.63 19.22,85.45 19.4,85.45 19.55,85.61 19.73,85.61 19.91,85.43 19.91,85.25 19.76,85.09 19.76,84.91 19.94,84.73 20.12,84.73 20.27,84.89 20.45,84.89 20.63,84.71 20.63,84.53 20.48,84.37 20.48,84.2 20.89,83.78 v1(20.89,83.74)
  BOTTOM w0.127: RN16.6 20.89,83.74 v1(20.89,83.74)
LCD_G7: length 56.4
  TOP w0.127: v1(41.21,102.25) 41.08,102.38 U13.14
  L6_INT_2 w0.127: v1(41.21,102.25) 41.01,102.46 39.03,102.46 37.83,101.26 37.83,99.82 33.56,95.55 33.19,95.55 33.06,95.68 33.06,96.74 32.94,96.87 32.68,96.87 32.55,96.74 32.55,95.68 32.43,95.55 32.17,95.55 32.05,95.68 32.05,96.74 31.92,96.87 31.67,96.87 31.54,96.74 31.54,95.68 31.41,95.55 30.44,95.55 30.31,95.68 30.31,96.67 30.19,96.79 29.83,96.79 29.7,96.67 29.7,95.68 29.58,95.55 29.32,95.55 29.2,95.68 29.2,96.08 29.07,96.21 28.74,96.21 28.61,96.08 28.61,95.68 28.48,95.55 28.17,95.55 28.07,95.65 28.07,96.01 27.94,96.13 27.69,96.13 27.56,96.01 27.56,95.65 27.43,95.52 27.18,95.52 27.05,95.65 27.05,96.01 26.92,96.13 26.67,96.13 26.54,96.01 26.54,95.65 26.42,95.52 26.16,95.52 26.04,95.65 26.04,96.01 25.91,96.13 25.74,96.13 23.68,94.07 21.07,94.07 18.69,91.7 18.69,87.31 20.69,85.31 22.59,85.31 24.14,83.76 24.14,82.95 23.96,82.77 23.43,82.77 23.25,82.95 23.25,83.33 22.34,84.25 v1(21.3,84.25)
  BOTTOM w0.127: RN16.8 21.29,84.24 v1(21.3,84.25)
LCD_I2C_SCL: length 5.3
  BOTTOM w0.127: J14.42 16.21,97.19 17.57,98.55 17.57,99.08 18.81,100.32 R508.2
LCD_I2C_SDA: length 5.5
  BOTTOM w0.127: R509.2 17.22,99.28 17.22,98.69 16.23,97.69 J14.43
LCD_PWR_EN: length 96.5
  TOP w0.127: R354.2 20.75,108.79 Q13.1 21.79,108.79 22.13,108.45 v1(22.13,108.1) ; U38.7 96.28,137.59 94.63,135.93 94.63,133.01 95.31,132.33 v1(95.44,132.33)
  L6_INT_2 w0.127: v1(95.44,132.33) 95.34,132.33 90.28,127.27 90.28,124.25 89.27,123.23 84.87,123.23 80.78,119.14 78.55,119.14 78.01,118.61 71.16,118.61 69.12,116.58 59.35,116.58 52.18,109.42 41.01,109.42 40.37,110.05 33.5,110.05 32.26,108.81 26.94,108.81 25.88,107.75 22.48,107.75 v1(22.13,108.1)
LCD_R0: length 56.2
  TOP w0.127: U13.13 v1(39.29,101.88)
  L6_INT_2 w0.127: v1(20.94,86.04) 20.52,86.04 18.96,87.6 18.96,91.38 21.3,93.72 23.91,93.72 25.36,95.17 29.89,95.17 30.02,95.04 30.02,94.71 30.14,94.58 30.4,94.58 30.52,94.71 30.52,95.04 30.65,95.17 30.91,95.17 31.03,95.04 31.03,93.72 31.16,93.59 31.41,93.59 31.54,93.72 31.54,95.04 31.67,95.17 31.92,95.17 32.05,95.04 32.05,94.63 32.18,94.51 32.43,94.51 32.56,94.63 32.56,95.04 32.68,95.17 32.94,95.17 33.06,95.04 33.06,94.74 33.19,94.61 33.45,94.61 33.57,94.74 33.57,95.04 33.7,95.17 33.92,95.17 34.49,94.6 34.72,94.6 34.94,94.81 34.94,94.99 34.41,95.52 34.41,95.8 34.59,95.98 34.76,95.98 36.12,94.63 36.3,94.63 36.48,94.81 36.48,94.99 35.12,96.34 35.12,96.52 35.3,96.7 35.48,96.7 37.06,95.13 37.24,95.13 37.42,95.31 37.42,95.49 35.84,97.06 35.84,97.24 36.02,97.42 36.2,97.42 37.22,96.41 37.4,96.41 37.58,96.59 37.58,96.77 36.56,97.78 36.56,97.96 36.74,98.14 36.92,98.14 37.82,97.24 38,97.24 38.18,97.42 38.18,97.6 37.28,98.5 37.28,98.68 37.46,98.86 37.64,98.86 37.8,98.69 37.98,98.69 38.16,98.87 38.16,99.05 38,99.22 38,99.4 38.21,99.61 38.21,101.03 39.06,101.88 v1(39.29,101.88)
  BOTTOM w0.127: RN17.2 20.89,85.99 v1(20.94,86.04)
LCD_R1: length 56.5
  TOP w0.127: v1(39.27,100.97) 39.36,100.88 U13.11
  L6_INT_2 w0.127: v1(21.37,86.5) 20.72,86.5 19.29,87.93 19.29,91.2 20.53,92.45 21.22,92.45 21.35,92.58 21.35,93.11 21.53,93.29 21.75,93.29 21.88,93.16 21.88,92.65 22.01,92.53 22.26,92.53 22.39,92.65 22.39,93.16 22.51,93.29 22.77,93.29 22.9,93.16 22.9,92.6 23.02,92.47 23.28,92.47 23.4,92.6 23.4,93.16 23.53,93.29 23.78,93.29 23.91,93.16 23.91,92.63 24.04,92.5 24.4,92.5 24.55,92.65 24.55,93.72 24.67,93.85 25.01,93.85 25.13,93.72 25.13,92.58 25.28,92.42 25.56,92.42 26.05,92.91 27.7,92.91 27.82,93.03 27.82,93.39 27.72,93.49 25.83,93.49 25.61,93.71 25.61,94.49 25.86,94.74 29.17,94.74 29.97,93.94 29.97,92.23 30.11,92.09 30.36,92.09 30.52,92.25 30.52,93.08 30.67,93.24 31,93.24 31.13,93.11 31.13,92.25 31.28,92.09 31.53,92.09 31.71,92.27 31.71,93.03 31.91,93.24 32.27,93.24 32.4,93.36 32.4,93.87 32.52,94 32.8,94 32.93,93.87 32.93,93.36 33.06,93.24 33.67,93.24 33.79,93.36 33.79,93.92 33.92,94.05 34.25,94.05 34.38,93.92 34.38,93.36 34.5,93.24 35.14,93.24 35.27,93.36 35.27,94.25 35.39,94.38 35.72,94.38 35.85,94.25 35.85,93.36 35.98,93.24 36.16,93.24 37.86,94.94 37.86,96.26 38.57,96.97 38.57,100.65 38.89,100.97 v1(39.27,100.97)